# KiCad board keyball61_Left.kicad_pcb (continued)
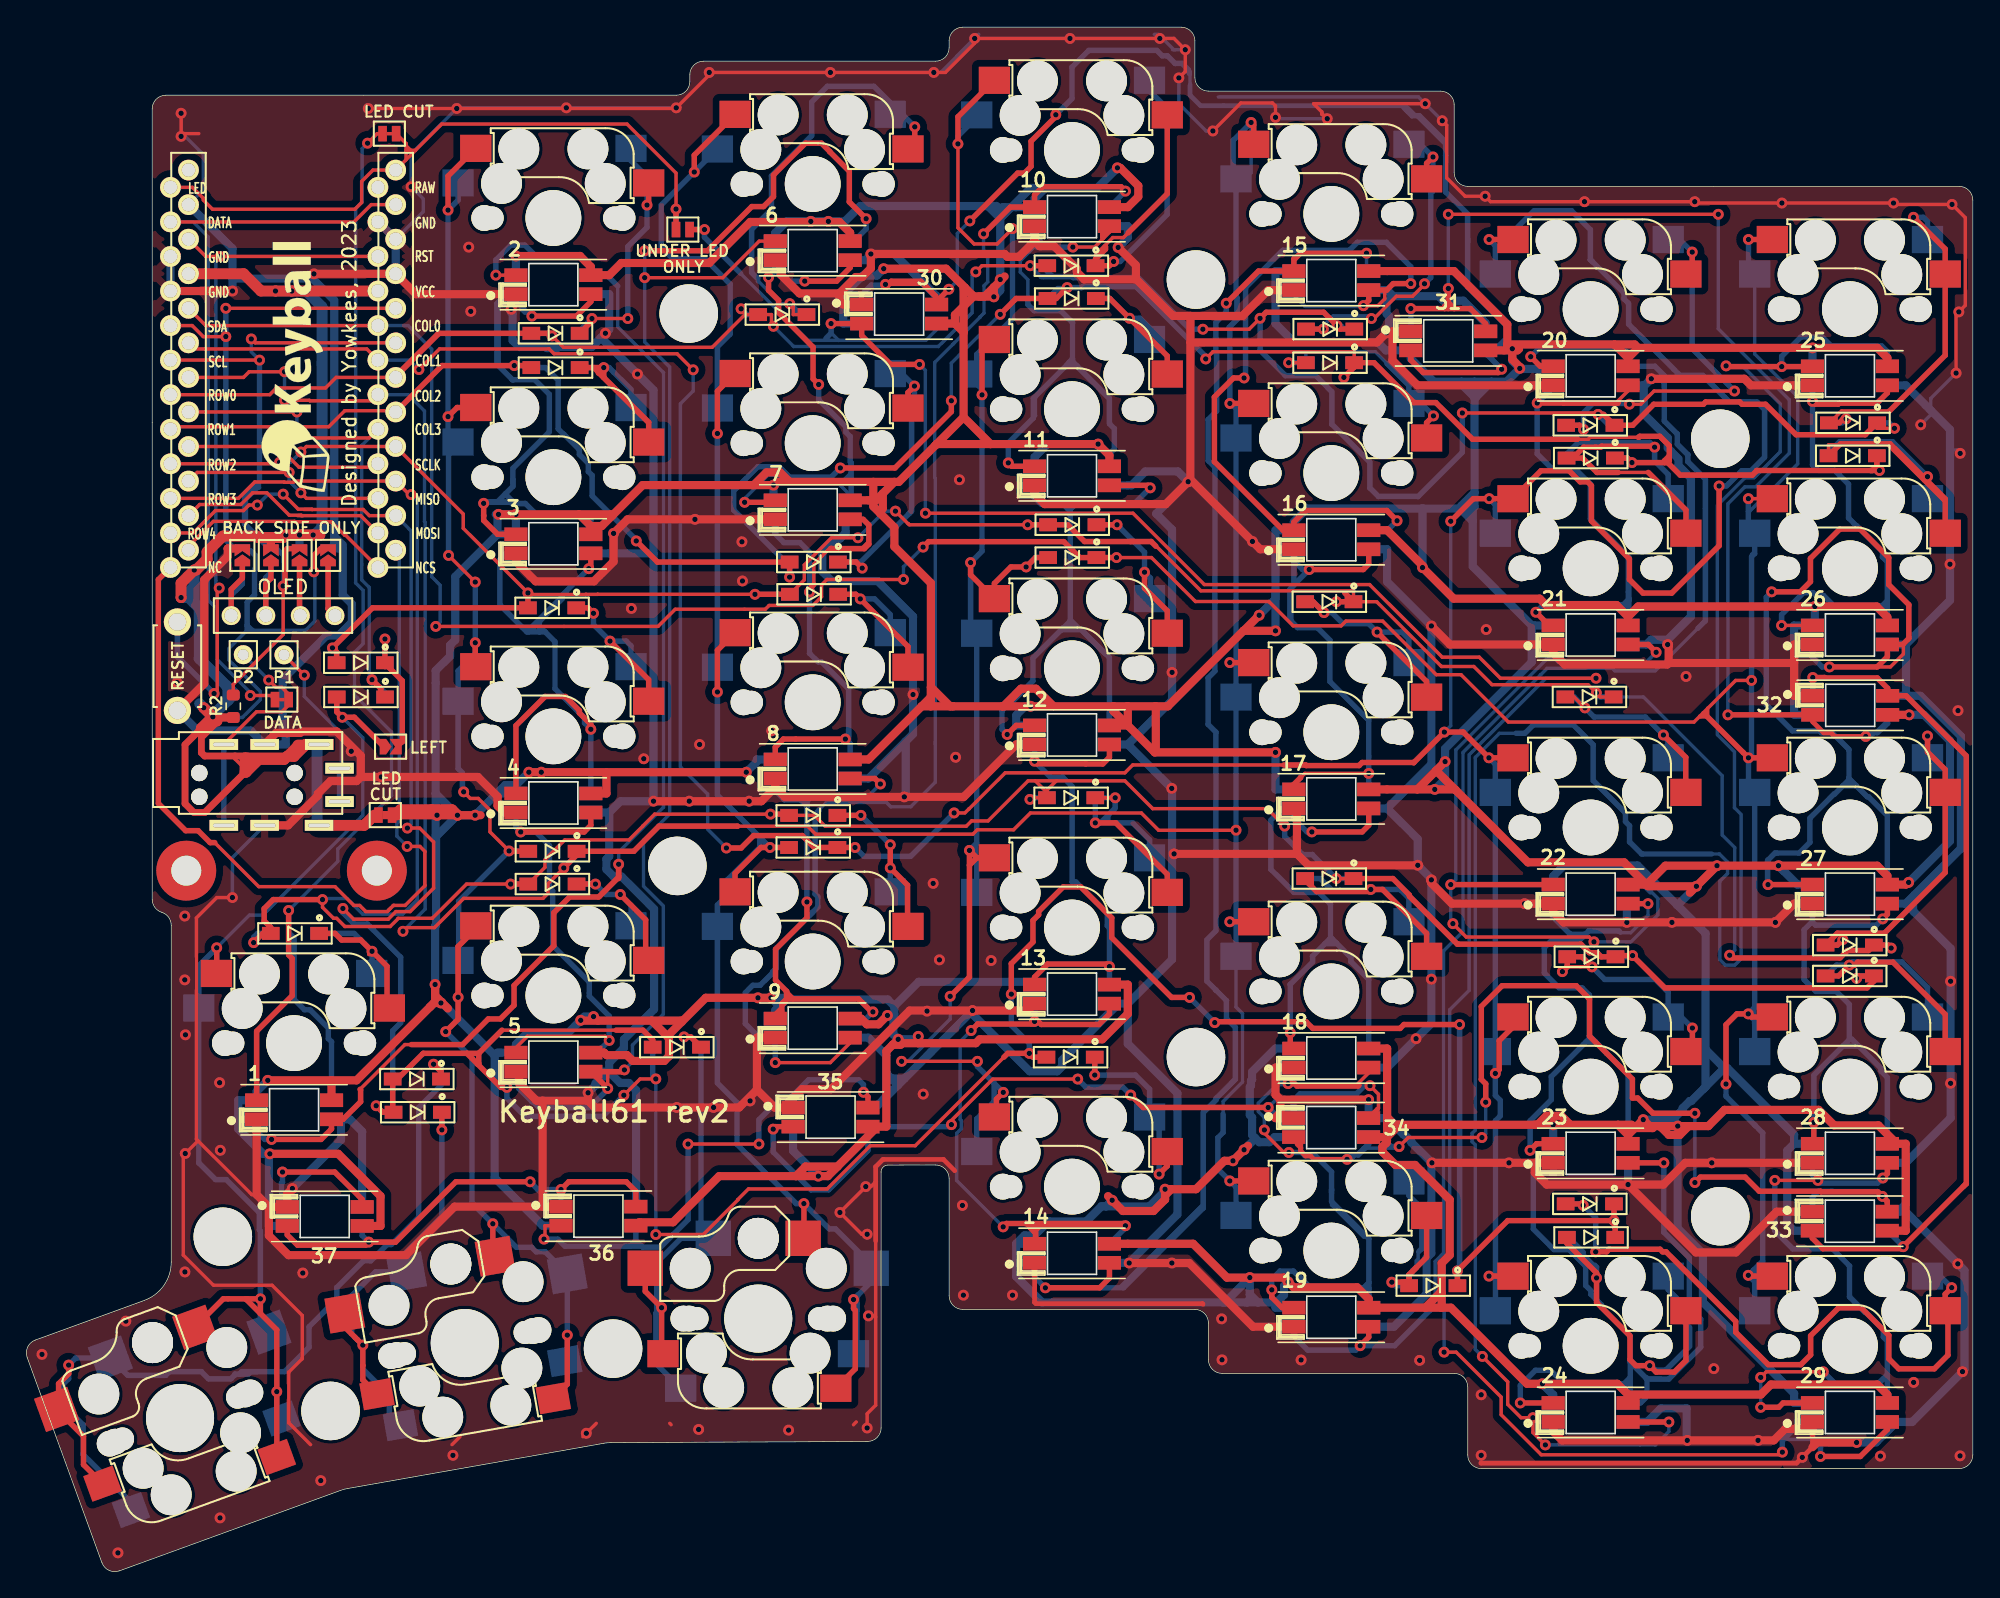
[diagram p0: board, top side]
## Routing (per net, layer and track width the routed paths; a pad name or vN(x,y) marks a point on that pad's centre or on a via; arc(x,y) is an arc through that point) (continued)
Net-(D15-Pad2): length 18.5
  Top w0.4: v1(95.27,70.43) 94.47,71.23 D15.2 ; SW15.2 102.8,65.37 v1(99.17,69)
  Bottom w0.4: D15.2 94.47,71.23 v1(95.27,70.43) 95.85,70.43 96.66,69.62 98.55,69.62 v1(99.17,69) 100.97,69 101.5,68.47 SW15.2
Net-(D16-Pad1): length 14.7
  Top w0.4: v1(82.08,73.4) 82.08,72.23 83.75,70.56 SW16.2 ; D16.1 v1(80.06,76.89)
  Bottom w0.4: 82.45,71.46 82.52,71.52 82.52,72.97 v1(82.08,73.4) 82.08,74.87 v1(80.06,76.89) D16.1
Net-(D17-Pad1): length 14
  Top w0.4: SW17.2 64.7,67.94 v1(61.2,71.44) 60.86,71.78 D17.1
  Bottom w0.4: SW17.2 63.4,70.28 62.25,71.44 v1(61.2,71.44) 60.86,71.78 D17.1
Net-(D18-Pad1): length 14.2
  Top w0.4: v1(42.81,68.34) 45.65,65.5 SW18.2 ; v1(41.6,70.38) 41.2,70.78 D18.1
  Bottom w0.4: SW18.2 44.35,67.99 44,68.34 v1(42.81,68.34) 41.6,69.55 v1(41.6,70.38) 41.2,70.78 D18.1
Net-(D19-Pad1): length 11
  Top w0.25: v1(26.28,68.49) 26.28,68.57 ; D19.1 26.2,66.75 26.06,66.6 26.28,66.38
  Top w0.35: 27.55,60.94 JP1.2
  Top w0.4: v1(26.28,68.49) D19.1 26.28,66.69 27.55,65.42 27.55,60.94
  Bottom w0.4: v1(26.28,68.49) D19.1
Net-(D20-Pad2): length 24.4
  Top w0.4: SW19.2 140.9,40.9 137.06,44.74 134.47,44.74 134.26,44.52 v1(133.86,44.52) 133.06,43.72 132.11,43.72
  Bottom w0.4: 132.11,43.72 132.12,43.72 132.92,44.52 v1(133.86,44.52) 134.1,44.76 137.71,44.76 139.6,42.87 SW19.2
Net-(D21-Pad2): length 22.2
  Top w0.25: v1(114.96,44.39) 113.13,44.39 v1(112.78,44.04) ; D21.2 114.11,45.13
  Top w0.4: v1(122.33,39.9) 122.33,38.65 SW20.2 ; v1(112.78,44.04) 113.13,44.4 D21.2 114.22,45.13 v1(114.96,44.39)
  Bottom w0.25: 115.57,43.78 v1(114.96,44.39) ; 122.03,40.2 v1(122.33,39.9) ; 120.55,40.71 121.29,40.71
  Bottom w0.4: D21.2 113.13,44.4 v1(112.78,44.04) ; v1(122.33,39.9) 121.52,40.71 120.55,40.71 120.55,42.53 119.61,43.47 115.88,43.47 v1(114.96,44.39)
Net-(D22-Pad2): length 22.5
  Top w0.4: D22.2 93.88,50.77 94.72,49.93 98.55,49.93 v1(98.7,50.08) 99.57,50.08 102.8,46.85 SW21.2
  Bottom w0.4: SW21.2 101.5,49.43 100.85,50.08 v1(98.7,50.08) 98.63,50.01 96.46,50.01 96.45,50.02 95.8,50.02 95.74,50.08 95.74,50.13 94.99,50.88 D22.2
Net-(D23-Pad1): length 23.2
  Top w0.25: 80.15,56.82 v1(79.93,56.82) D23.1 79.44,56.82
  Top w0.4: SW22.2 83.75,51.19 79.97,54.98 v1(78.46,54.98)
  Bottom w0.4: v1(78.46,54.98) 78.84,54.98 79.39,55.52 ; v1(78.46,54.98) 79.41,54.98 ; v1(78.46,54.98) D23.1 v1(79.93,56.82) 79.93,56.06 79.39,55.52 ; 82.45,52.41 82.45,53.73 81.21,54.98 79.41,54.98 ; 79.41,54.98 79.39,54.99 79.39,55.52
Net-(D24-Pad1): length 14.8
  Top w0.4: v1(63.4,53.37) v1(63.4,51.67) 64.67,50.4 64.67,47.4 SW23.2 ; D24.1 v1(61.24,55.53)
  Bottom w0.25: 63.37,49.94 SW23.2
  Bottom w0.4: v1(63.4,51.67) SW23.2 ; D24.1 v1(61.24,55.53) v1(63.4,53.37)
Net-(D25-Pad1): length 13.3
  Top w0.25: v1(43.57,49.71) 43.56,49.71
  Top w0.4: D25.1 v1(41.74,50.48) ; SW24.2 45.43,45.09 45.43,47.85 v1(43.57,49.71)
  Bottom w0.4: D25.1 v1(41.74,50.48) 42.51,49.71 v1(43.57,49.71) 44.35,48.93 SW24.2
Net-(D26-Pad1): length 19.5
  Top w0.25: 25.09,45.3 v1(25.33,45.54)
  Top w0.4: SW25.2 26.43,41.54 26.43,44.44 v1(25.33,45.54) 24.5,46.37 23.09,46.37 22.61,46.85 21.44,46.85
  Bottom w0.25: SW25.2 25.3,45.23 25.16,45.37 v1(25.33,45.54) ; 23.68,46.85 21.44,46.85
  Bottom w0.4: 21.44,46.85 24.02,46.85 v1(25.33,45.54) 25.33,43.94 SW25.2
Net-(D27-Pad2): length 49.6
  Top w0.4: v1(141.38,20.81) 140.9,20.34 SW26.2 141.1,18.92 141.1,15.85 140.1,14.85 137.49,14.85 136.76,15.58 136.76,17.3 134.74,19.33 133.07,19.33 131.02,17.28 131.02,15.87 130.3,15.15 127.9,15.15 125.51,17.54 125.51,18.33 120.4,23.45 120.14,23.45 119.96,23.63 116.21,23.63 116.03,23.45 v1(115.23,23.45) ; D27.2 114.2,26.97 v1(114.31,26.87)
  Bottom w0.4: SW26.2 140.53,21.66 v1(141.38,20.81) ; D27.2 114.2,26.97 v1(114.31,26.87) 115.23,25.94 v1(115.23,23.45)
Net-(D28-Pad2): length 37.5
  Top w0.25: 118.97,15.26 119.19,15.26 v1(119.19,15.08) ; SW27.2 121.85,16.58
  Top w0.4: D28.2 113.11,24.07 115.29,21.89 v1(115.29,21.53) 115.29,19.73 117.74,17.27 117.74,15.52 118.19,15.08 v1(119.19,15.08) 119.66,14.61 121,14.61 121.85,15.46 SW27.2
  Bottom w0.25: 115.15,22.47 D28.2
  Bottom w0.4: 115.15,22.47 115.29,22.33 v1(115.29,21.53) ; D28.2 113.22,24.51 114.31,23.41 ; v1(119.19,15.08) 119.29,15.08 119.61,14.75 120.37,14.75 122.12,16.5 122.12,17.88 121.26,18.75 121.26,19.96 120.55,20.66 120.55,21.66
Net-(D29-Pad2): length 24.3
  Top w0.25: D29.2 101.52,21.21 ; 101.52,21.21 v1(100.25,21.21) ; 101.52,21.21 101.52,21.76
  Top w0.4: D29.2 101.26,21.21 v1(100.25,21.21) ; D29.2 101.52,21.76 ; D29.2 101.52,21.76 ; SW28.2 102.8,23.04 102.05,22.29 ; 101.52,21.76 102.05,22.29 ; 101.52,21.76 102.05,22.29
  Bottom w0.25: 102.17,26.67 102.17,25.75 ; 102.1,22.76 102.18,22.76 102.18,22.76 102.18,23.41 102.23,23.47 ; 101.52,20.97 100.49,20.97 ; 101.52,20.97 101.52,21.76 102.17,22.41 ; 101.52,20.97 D29.2
  Bottom w0.4: 102.17,25.75 102.17,25.74 ; 102.17,25.74 102.45,25.46 102.45,23.69 102.23,23.47 ; 102.17,25.74 102.17,26.91 101.5,27.58 SW28.2 ; 102.1,22.76 102.1,22.39 101.76,22.05 101.76,22 101.52,21.76 D29.2 100.5,20.96 v1(100.25,21.21)
Net-(D30-Pad1): length 15.5
  Top w0.4: D30.1 v1(78.42,36.44) ; v1(83.15,29.16) 83.75,29.76 SW29.2
  Bottom w0.4: D30.1 v1(78.42,36.44) 81.41,36.44 82.45,35.4 82.45,33.09 83.15,32.39 v1(83.15,29.16)
Net-(D31-Pad1): length 41.5
  Top w0.4: 45.4,22.24 45.4,20.54 v1(46.6,19.34) 46.6,16.06 46.7,15.96 ; v1(48.25,39.24) 48.74,39.24 D31.1
  Bottom w0.25: D31.1 49.5,37.69
  Bottom w0.4: 46.18,18.93 46.18,15.24 48,13.42 ; 46.18,18.93 46.59,19.34 v1(46.6,19.34) 46.24,19.7 46.24,20.03 ; 46.18,18.93 46.24,18.99 46.24,20.03 ; v1(48.25,39.24) 48.74,39.24 D31.1 49.5,25.34 SW30.2 48.02,24.44 46.24,22.66 46.24,20.03
Net-(D32-Pad1): length 41.1
  Top w0.25: 23.33,18.94 SW31.2 23.33,17.91 24.08,17.16 ; 25.2,13.48 SW31.2
  Top w0.4: SW31.2 23.33,17.91 v1(24.65,16.59) 24.65,15.09 24.65,15.09 24.65,14.03 SW31.2 ; v1(30.46,32.41) D32.1
  Bottom w0.25: SW31.2 27.87,21.98 26.34,21.98
  Bottom w0.4: SW31.2 26.6,11.52 26.6,12.87 24.65,14.82 v1(24.65,16.59) 23.83,17.41 23.83,20.22 25.59,21.98 SW31.2 27.87,23.45 30.46,26.03 v1(30.46,32.41) D32.1
Net-(D33-Pad1): length 71.9
  Top w0.4: D33.1 30.4,36.76 30.33,36.76 v1(29.85,37.24) ; v1(3.04,15.12) 3.04,14.49 2.3,13.75 2.3,12.01 SW32.2 4.13,9.89 4.13,7.8 SW32.2
  Bottom w0.25: 16.69,14.64 16.41,14.64
  Bottom w0.4: v1(29.85,37.24) 30.11,37.24 30.4,36.95 D33.1 30.4,35.69 28.76,34.05 28.76,25.99 26.75,23.98 26.44,23.98 25.24,22.79 24.7,22.79 22.75,20.83 22.75,19.98 20.7,17.94 20.7,16.44 18.9,14.64 16.9,14.64 ; 16.9,14.64 16.41,14.64 16.23,14.46 15.57,14.46 ; 16.9,14.64 15.75,14.64 15.57,14.46 ; SW32.2 7.62,5.03 4.1,8.55 4.1,10.73 2.59,12.24 2.59,13.67 3.04,14.12 v1(3.04,15.12) 3.57,15.64 SW32.2 7.38,14.37 10.17,14.37 10.44,14.64 12.79,14.64 13.32,14.11 14.96,14.11 15.26,14.4 15.26,14.46 15.57,14.46
Net-(D34-Pad2): length 127.9
  Top w0.25: v1(69.3,74.11) 69.27,74.14 ; v1(72.38,98.66) 71.25,97.53 69.56,97.53 68.37,98.72 v1(68.37,104.89) ; v1(64.23,37.45) v1(69.8,37.45)
  Top w0.4: SW22.1 69.76,52.41 ; 69.76,52.41 v1(69.22,52.95) 69.22,51.86 ; 69.76,52.41 69.76,52.41 69.22,51.86 ; v1(70.14,86.44) 70.14,89.6 SW10.1 ; v1(71.7,35.17) 71.2,34.67 71.2,33.51 SW29.1 ; 69.22,51.86 69.22,43.64 v1(67.8,42.23) ; v1(69.3,74.11) 69.3,73.21 SW16.1 71.05,72.58 72.26,73.79 v1(73.38,73.79) 74.07,74.48 D34.2 ; SW4.1 68.37,106.88 v1(68.37,104.89)
  Bottom w0.25: v1(64.23,37.45) 64.7,37.45 67.8,40.55 v1(67.8,42.23) ; SW10.1 69.75,87.13 70.14,86.74 v1(70.14,86.44) ; 69.75,53.49 69.75,52.21 ; 69.75,52.21 69.75,52.3 ; 69.75,52.21 SW22.1
  Bottom w0.4: v1(70.14,86.44) 70.14,74.95 v1(69.3,74.11) 69.3,69.37 SW16.1 69.75,53.49 v1(69.22,52.95) 69.75,52.42 SW22.1 ; v1(69.8,37.45) 69.8,37.07 71.03,35.84 ; v1(73.38,73.79) 74.08,74.49 74.99,74.49 D34.2 ; 71.03,35.84 v1(71.7,35.17) 71.03,34.49 ; 71.03,35.84 71.03,34.5 71.03,34.49 ; v1(68.37,104.89) 68.37,105.46 69.75,106.84 SW4.1 ; SW10.1 69.75,89.41 72.38,92.04 v1(72.38,98.66) ; 71.03,34.49 69.75,33.22 SW29.1
Net-(D35-Pad2): length 138.2
  Top w0.4: v1(49,102.82) 49,104.06 52,107.06 ; v1(57.06,26.99) 57.06,24.49 57,24.44 ; D35.2 v1(54.56,53.17) 53.9,53.17 52,51.27 52,49.91 ; 52,88.01 50.7,86.71 v1(50.7,83.6) ; v1(50.7,64.6) 50.7,67.66 52,68.96 ; v1(60.7,19.94) 60.7,19.28 60.83,19.15 60.83,14.85 SW30.1
  Bottom w0.4: 53.81,53.17 51.46,50.82 51.46,49.7 50.7,48.94 SW23.1 50.7,35.86 52.14,34.42 52.14,31.34 56.49,26.99 v1(57.06,26.99) 58.92,25.13 59.38,25.13 62,22.51 62,21.24 61.03,20.26 ; 53.81,53.17 v1(54.56,53.17) ; 53.81,53.17 53.81,53.66 53.94,53.79 ; 60.95,19.17 60.95,16.21 SW30.1 ; 60.95,19.17 60.95,19.62 60.7,19.87 v1(60.7,19.94) 61.03,20.26 ; 60.95,19.17 60.95,20.19 61.03,20.26 ; SW5.1 v1(49,102.82) 46.57,100.39 46.57,97.3 47.42,96.45 49.77,96.45 51.64,94.58 51.64,90.91 50.7,89.97 SW11.1 v1(50.7,83.6) SW17.1 v1(50.7,64.6) 50.7,57.03 53.94,53.79 ; v1(54.56,53.17) 53.94,53.79 ; v1(54.56,53.17) D35.2
Net-(D36-Pad2): length 139.1
  Top w0.25: v1(35.4,52.91) 33.99,54.32 33.99,55.92 33.13,56.78 32.55,56.78 v1(32.06,57.26) ; v1(32.91,72.68) v1(30.95,74.64)
  Top w0.4: SW24.1 32.95,47.19 31.65,45.89 v1(31.65,42.16) 31.65,40.54 v1(30.74,39.63) ; v1(39.68,17.32) 39.68,13.72 SW31.1 ; v1(30.91,100.02) 30.91,102.52 SW6.1 ; v1(32.91,68.22) 32.91,66.5 SW18.1 ; SW31.1 34.2,23.29 v1(34.2,25.51) ; v1(35.4,52.91) 35.42,52.89 D36.2 ; v1(30.91,84.84) 31.58,85.51 SW12.1
  Bottom w0.25: v1(39.68,17.32) 39.68,15.87 ; D36.2 35.33,52.89 31.65,49.21 SW24.1
  Bottom w0.4: SW24.1 31.65,41.93 ; SW24.1 v1(31.65,42.16) ; SW24.1 31.69,44.91 31.69,49.21 v1(35.4,52.91) 36.78,52.91 D36.2 ; v1(32.91,72.68) v1(32.91,68.22) 32.91,67.42 31.65,66.16 SW18.1 31.65,58.97 31.97,58.65 31.97,57.35 v1(32.06,57.26) ; v1(30.74,39.63) 32.67,37.7 32.67,27.04 v1(34.2,25.51) 35.93,23.78 37.05,23.78 37.38,23.45 38.05,23.45 SW31.1 v1(39.68,17.32) 39.68,15.6 SW31.1 39.49,15.68 39.68,15.87 ; SW6.1 31.65,100.76 v1(30.91,100.02) v1(30.91,84.84) 30.91,83.71 SW12.1 30.95,82.27 v1(30.95,74.64)
Net-(D37-Pad2): length 94.5
  Top w0.4: 17.13,18.91 16.11,19.93 16.11,19.99 ; 17.13,18.91 18.33,17.71 v1(18.33,13.17) SW32.1 ; 17.13,18.91 v1(17.13,19.99) 16.11,19.99 ; 16.11,19.99 14.4,19.99 SW32.1 ; D37.2 22.74,63.14 v1(23.14,62.74) 24.03,62.74 JP1.1 ; SW25.1 13.92,43.93 v1(13.92,45.8)
  Bottom w0.25: 23.15,62.73 v1(23.14,62.74) 24.65,61.23 24.65,55.54 17.32,48.2 16.32,48.2 v1(13.92,45.8) ; 14.62,28.76 17.13,26.25 v1(17.13,19.99)
  Bottom w0.4: 17.05,26.33 17.05,25.06 17.13,24.98 v1(17.13,19.99) 17.13,18.17 SW32.1 ; 17.05,26.33 17.05,26.25 ; 17.05,26.33 14.62,28.76 13.83,28.76 12.6,29.98 SW25.1 12.6,41.37 12.6,44.48 v1(13.92,45.8) ; v1(23.14,62.74) 22.74,63.14 D37.2 ; SW32.1 18.33,11.55 v1(18.33,13.17)
Net-(J1-Pad1): length 9.8
  Top w0.25: JP2.1 15.8,73.5
  Top w0.4: J1.1 14.98,72.14 15.8,72.96 JP2.1
  Bottom w0.25: JP2.1 15.8,73.5
  Bottom w0.4: J1.1 14.98,71.71 15.8,72.53 JP2.1
Net-(J1-Pad2): length 9.2
  Top w0.25: 17.9,70.6 J1.2
  Top w0.4: J1.2 17.52,72.57 17.9,72.95 JP3.1
  Bottom w0.25: 17.9,70.6 J1.2
  Bottom w0.4: JP3.1 17.9,73.39 17.52,73.01 J1.2
Net-(J1-Pad3): length 15.6
  Top w0.25: JP4.1 20,70.27
  Top w0.4: J1.3 20,70.27 JP4.1
  Bottom w0.25: JP4.1 20,70.27
  Bottom w0.4: J1.3 20,70.27 JP4.1
Net-(J1-Pad4): length 15.1
  Top w0.25: JP5.1 22.1,70.71
  Top w0.4: J1.4 22.1,70.71 JP5.1
  Bottom w0.25: JP5.1 22.1,70.71
  Bottom w0.4: J1.4 22.1,70.71 JP5.1
Net-(J13-PadA): length 12.9
  Top w0.25: P1.1 v1(20.36,65.84)
  Bottom w0.25: v1(20.36,65.84) 20.36,64.27 23.08,61.54 23.08,59.13 J13.A ; 22.77,58.99 J13.A ; J13.A 22.87,59.07
  Bottom w0.4: J13.A J13.A
Net-(J13-PadB): length 17.3
  Top w0.25: v1(17.74,65.47) 18.27,64.94 18.7,64.94 19.22,64.42 19.22,63.65 18.71,63.14 16.84,63.14 J13.B
  Bottom w0.25: P2.1 v1(17.74,65.47)
  Bottom w0.4: J13.B J13.B
Net-(JP11-Pad1): length 1159.4
  Top w0.6: v1(36.85,58.7) v1(37.77,58.7) 42.55,58.7 ; v1(124.14,51.83) 122.15,49.84 ; v1(124.14,51.83) 120.34,51.83 118.95,50.44 ; v1(124.14,51.83) v1(128.65,51.83) 135.91,51.83 136.65,51.08 27.1 138,50.44 138.17,50.6 v1(138.22,50.6) ; 66.72,82.73 64.03,80.04 63.71,80.04 ; 66.72,82.73 66.81,82.82 70.77,82.82 ; 66.72,82.73 68.79,84.8 ; 57.57,99.15 53.12,99.15 50.1,96.13 43.65,96.13 42.75,95.24 2.1 41.4,95.86 40.61,96.65 v1(35.9,96.65) ; 57.57,99.15 v1(57.57,99.19) ; 57.57,99.15 59.66,99.15 60.45,98.36 6.1 ; 62.16,80.04 62.16,78.69 ; 62.16,80.04 63.71,80.04 ; 62.16,80.04 55.06,80.04 v1(54.83,79.81) 53.27,79.81 ; 62.16,78.69 7.1 ; 62.16,78.69 62.35,78.69 62.85,79.19 ; 62.16,78.69 62.16,78.24 62.68,77.72 ; 136.65,12.34 136.65,12.95 135.91,13.69 128.09,13.69 127.36,12.96 117.6,12.96 ; 62.85,79.19 63.71,80.04 ; 62.85,79.19 62.85,78.09 62.68,77.92 62.68,77.72 ; 80.85,62.14 80.85,63.55 ; 80.85,62.14 82.83,60.16 ; 80.85,62.14 12.1 ; 80.85,62.14 79.8,63.2 79.8,63.55 ; 80.85,63.55 79.8,63.55 ; 80.85,63.55 82.91,63.55 ; 102.7,19.34 103.91,19.34 ; 102.7,19.34 98.55,19.34 98.55,19.98 97.7,20.84 93.03,20.84 v1(92.63,21.23) 92.31,21.55 v1(89.82,21.55) 88.14,21.55 85.65,24.04 14.1 ; 102.7,19.34 103.81,20.44 103.91,20.44 ; 103.91,19.34 104.59,19.34 110.18,13.75 v1(111.31,13.75) 116.81,13.75 117.6,12.96 ; 103.91,19.34 103.91,20.44 ; 110.75,32.78 101.05,32.78 ; 110.75,32.78 v1(112.1,32.78) 116.87,32.78 ; 110.75,32.78 110.95,32.78 111.6,33.44 112.7,33.44 113.34,32.8 113.36,32.8 ; 101.05,32.78 100.66,32.78 ; 101.05,32.78 100.8,32.78 99.89,31.88 ; 40.55,77.66 42.89,77.66 42.98,77.57 ; 40.55,77.66 41.4,76.8 ; 40.55,77.66 v1(35.9,77.66) v1(34.62,77.66) ; 118.1,32.54 v1(118.72,33.16) 119.19,32.69 119.55,32.69 ; 118.1,32.54 117.86,32.78 116.87,32.78 ; 118.1,32.54 119.41,32.54 119.55,32.69 ; 118.1,32.54 117.6,32.05 ; 62.46,32.65 63.11,32.65 63.11,38.2 63.58,38.66 ; 62.46,32.65 59.53,29.72 ; 62.46,32.65 35.1 ; 45.88,40.44 41.9,40.44 ; 45.88,40.44 48,40.44 48.09,40.36 ; 45.88,40.44 47.03,39.3 ; 41.9,40.44 v1(41.6,40.74) ; 41.9,40.44 40.69,40.44 v1(40.66,40.46) ; 89.35,69.09 89.36,69.09 v1(90.5,70.24) ; 89.35,69.09 83.8,63.55 82.91,63.55 ; 89.35,69.09 v1(91.7,69.09) ; 68.79,91.04 68.79,94.23 68.89,94.32 ; 68.79,91.04 68.15,91.68 ; 68.79,91.04 68.79,84.8 ; 71.61,63.55 68.01,63.55 ; 71.61,63.55 71.71,63.55 73,64.84 74.1,64.84 75.39,63.55 75.4,63.55 ; 71.61,63.55 v1(73.71,63.55) 79.8,63.55 ; 68.01,63.55 67.8,63.55 66.39,64.95 ; 68.01,63.55 66.39,63.55 ; 29.59,41.45 29.96,41.82 v1(29.96,43.1) 29.96,42.28 30.9,41.34 ; 29.59,41.45 24.19,36.05 22.35,36.05 ; 29.59,41.45 29.88,41.74 v1(30.39,41.74) ; 8.1 61.8,59.64 65.71,63.55 ; 10.1 80.85,100.24 81.62,101.01 81.62,101.8 80.3,103.13 v1(80.09,103.13) ; 69.93,93.67 70.33,93.67 71.01,94.35 ; 69.93,93.67 70.99,93.67 v1(71.01,93.64) 71.01,94.35 ; 69.93,93.67 69.51,93.67 ; 99.89,31.88 99.9,31.89 99.9,32.78 ; 99.89,31.88 34.1 ; 99.89,31.88 99.89,31.61 99.86,31.58 99.86,31.47 99.56,31.16 99.56,30.79 100.52,29.83 101.95,29.83 104.5,27.28 104.5,23.21 103.91,22.61 103.91,20.44 ; 21.1 117.6,70.14 ; 117.6,70.14 118.35,70.88 v1(131.33,70.88) 135.87,70.88 136.65,70.1 26.1 ; 117.6,70.14 116.75,70.99 111.58,70.99 111.11,71.46 104.79,71.46 v1(102.5,73.74) 102.5,73.89 99.9,76.49 16.1 ; 63.58,38.66 v1(63.99,39.07) 64.27,38.78 ; 63.58,38.66 64.15,38.66 64.27,38.78 ; 63.58,38.66 63.6,38.64 ; 68.89,94.32 67.5,95.71 v1(62.92,95.71) ; 68.89,94.32 69.51,93.7 69.51,93.67 ; 100.66,32.78 100.46,32.78 99.9,33.34 ; 100.66,32.78 99.9,32.78 ; 89.68,31.24 v1(88.58,30.14) 87.95,30.14 85.86,28.05 84.04,28.05 ; 4.1 42.55,57.14 42.55,58.7 ; 55.91,80.1 55.91,80.14 55.3,80.74 54.3,80.74 53.37,79.81 53.27,79.81 ; 66.39,64.95 66.39,72.6 63.71,75.29 63.71,76.69 62.68,77.72 ; 66.39,64.95 66.39,64.23 65.71,63.55 ; 66.39,64.95 66.39,63.55 ; 137.35,31.39 138,31.39 138,25.01 137.99,25 136.64,25 ; 137.35,31.39 136,32.74 132.75,32.74 131.61,33.88 124.69,33.88 123.5,32.69 122.05,32.69 ; 137.35,31.39 136.65,31.39 ; 117.6,12.96 117.6,12.34 ; 53.27,79.81 45.22,79.81 42.98,77.57 ; 122.05,32.69 v1(121.25,32.69) 120.05,32.69 ; 122.05,32.69 121.4,32.04 120.6,32.04 120.05,32.59 120.05,32.69 ; 42.55,58.7 v1(52.83,58.7) ; 70.77,82.82 68.79,84.8 ; 70.77,82.82 v1(78.67,82.82) 79.5,81.99 11.1 ; 3.1 41.4,76.8 ; 41.4,76.8 42.21,76.8 42.98,77.57 ; 82.91,63.55 82.91,60.24 82.83,60.16 ; 71.01,94.35 71.8,95.14 ; 80.05,26.89 79.4,27.54 ; 82.83,60.16 v1(91.7,60.16) ; 108.73,89.83 v1(109.1,89.83) 109.1,89.04 109.7,88.44 ; 108.73,89.83 109.59,89.83 109.47,89.71 31.1 ; 108.73,89.83 108.73,90.14 ; v1(122.63,50.32) 119.08,50.32 118.95,50.44 ; 59.53,29.72 57.18,29.72 56.48,29.01 ; 59.53,29.72 58.82,29.01 v1(58.12,29.01) 56.48,29.01 ; 65.46,38.78 69.69,38.78 69.97,39.07 78.98,39.07 80.85,40.94 80.85,43.09 13.1 ; 65.46,38.78 64.27,38.78 ; 65.46,38.78 v1(65.46,39.28) ; 66.39,63.55 65.71,63.55 ; 99.9,32.78 99.9,33.34 ; 99.9,33.34 99.9,38.39 98.55,38.39 ; 108.73,90.14 108.73,91.62 104.81,95.54 15.1 ; 108.73,90.14 116.62,90.14 ; 48.09,40.36 49.85,42.12 v1(53.68,42.12) v1(54.64,42.12) ; 48.09,40.36 47.03,39.3 ; 116.87,32.78 117.6,32.05 ; 56.48,29.01 50.83,29.01 47.44,25.62 44.96,25.62 36.1 ; 22.35,36.05 v1(17.67,36.05) ; 22.35,36.05 1.1 ; 118.95,50.44 22.1 ; 118.95,50.44 117.32,52.08 110.25,52.08 104.95,57.38 ; 102.12,57.44 103.5,58.82 ; 102.12,57.44 v1(103.4,57.44) 104.89,57.44 104.95,57.38 ; 102.12,57.44 17.1 ; 103.5,58.82 v1(104.16,59.48) ; 103.5,58.82 104.95,57.38 ; 47.03,39.3 47.14,39.18 47.14,37.82 46.8,37.48 44.49,37.48 44.06,37.91 42.56,37.91 42.38,38.09 5.1 ; 116.62,90.14 118.09,90.14 118.34,89.89 ; 116.62,90.14 117.6,89.16 ; v1(83.59,28.05) 83.59,27.85 ; v1(83.59,28.05) 83.59,27.29 ; v1(83.59,28.05) 84.04,28.05 ; 32.1 v1(138.25,62.92) ; 120.05,32.69 119.55,32.69 ; 37.1 25.95,25.35 25.95,27.54 22.85,30.65 v1(17.82,30.65) ; 9.1 61.26,40.59 61.68,40.17 62.54,40.17 v1(63.19,40.82) ; 68.15,91.68 68.15,92.31 69.51,93.67 ; 68.15,91.68 30.1 ; 117.6,89.16 118.34,89.89 ; 117.6,89.16 20.1 ; 118.34,89.89 v1(131.15,89.89) 135.92,89.89 136.65,89.16 25.1 ; 117.6,31.39 117.6,32.05 ; 83.59,27.29 82.74,26.45 80.49,26.45 v1(79.7,27.24) ; 83.59,27.29 83.59,27.6 84.04,28.05 ; 27,55.55 27.01,55.54 v1(30.1,55.54) v1(31.6,55.54) v1(32.9,55.54) 33.3,55.54
  Top w0.8: v1(31.6,55.54) 31.2,55.94 29.7,55.94 ; 29.7,55.94 27.41,55.94 27.1,55.63 27.1,55.55 ; 29.7,55.94 v1(30.1,55.54)
  Bottom w0.4: v1(63.19,40.82) 63.63,40.82 ; 129.13,51.35 130.04,50.44 27.1
  Bottom w0.6: v1(124.14,51.83) v1(122.63,50.32) 121.23,48.92 ; v1(88.58,30.14) v1(89.39,30.95) 90.23,31.79 ; 91.7,19.65 91.7,19.34 93.05,19.34 ; 91.7,19.65 91.63,19.73 90.42,19.73 ; 91.7,19.65 91.8,19.75 92.33,20.28 92.33,20.93 v1(92.63,21.23) ; 35.9,57.76 35.12,57.76 34.5,57.14 ; 35.9,57.76 4.1 34.5,57.14 ; 35.9,57.76 v1(36.85,58.7) 38.17,58.7 ; 74.8,101.65 78.61,101.65 v1(80.09,103.13) ; 74.8,101.65 74,100.86 10.1 72.3,100.24 ; 74.8,101.65 73.71,101.65 72.3,100.24 ; 34.5,57.14 v1(32.9,55.54) v1(31.6,55.54) ; 37.1 17.75,25.35 17.75,30.65 ; 109.65,88.38 108.68,87.41 107.57,87.41 ; 109.65,88.38 v1(109.65,88.38) 109.1,88.93 v1(109.1,89.83) ; 109.65,88.38 109.69,88.34 111.91,88.34 20.1 ; v1(103.4,57.44) 104.16,58.2 v1(104.16,59.48) 104.16,60.43 110.53,66.8 110.53,69.49 ; v1(58.12,29.01) 56.26,30.87 35.1 ; v1(79.7,27.24) 79.25,26.79 78.91,26.79 ; 124.67,36.95 124.91,36.95 129.8,32.05 129.8,31.39 ; 124.67,36.95 123.18,35.46 ; 124.67,36.95 123.3,38.32 ; v1(31.6,55.54) 30,57.14 ; v1(31.6,55.54) 30.04,53.97 ; 30,57.14 30,66.17 31.06,67.23 31.06,68.04 31.44,68.42 31.44,73.08 34.55,76.19 ; 30,57.14 30,54 30.04,53.97 ; 34.42,77.66 v1(35.9,77.66) 3.1 34.55,76.19 ; 55.25,41.5 v1(54.64,42.12) ; 55.25,41.5 54.95,41.21 9.1 ; 55.25,41.5 55.75,42 ; v1(54.64,42.12) 55.62,42.12 55.75,42 ; v1(54.64,42.12) v1(53.68,42.12) ; 22.1 112.1,51.06 112.9,51.85 118.3,51.85 121.23,48.92 ; 72.3,100.24 71.68,100.24 71.48,100.04 ; 72.3,100.24 71.48,99.42 ; 55.75,42 63.21,42 63.7,41.51 ; 123.3,38.32 123.3,46.85 121.23,48.92 ; 123.3,38.32 123.3,35.57 123.18,35.46 ; v1(54.83,79.81) 54.83,78.82 7.1 ; 89.82,20.63 89.82,19.95 89.59,19.73 ; 89.82,20.63 89.82,20.33 90.42,19.73 ; 89.82,20.63 v1(89.82,21.55) 87.99,19.73 87.89,19.73 ; 110.53,69.49 106.2,73.82 106.2,77.15 ; 110.53,69.49 21.1 ; v1(62.92,95.71) 62.41,95.21 61.37,95.21 59.95,93.79 59.95,91.68 30.1 ; v1(91.7,60.16) 91.7,57.44 17.1 ; v1(41.6,40.74) 40.94,40.74 v1(40.66,40.46) 39.69,39.5 36.7,39.5 35.9,38.71 5.1 34.55,38.09 34.34,37.88 ; 105.37,87.41 105.37,87.22 106.33,86.26 ; 105.37,87.41 103.34,87.41 101.64,89.1 31.1 99.81,89.71 99.22,90.3 93.08,90.3 91.7,91.67 91.7,95.54 15.1 ; 105.37,87.41 106.33,87.41 ; 63.7,41.51 63.7,40.9 63.63,40.82 63.63,39.42 v1(63.99,39.07) 65.25,39.07 v1(65.46,39.28) ; 63.7,41.51 65.49,43.29 73.8,43.29 13.1 ; 107.57,87.41 106.43,86.26 106.33,86.26 ; 107.57,87.41 106.33,87.41 ; 78.91,26.79 82.45,26.79 83.59,27.93 v1(83.59,28.05) ; 78.91,26.79 77.81,25.69 75.04,25.69 74,24.66 ; 112.1,31.39 v1(112.1,32.78) ; 74,24.66 73.27,24.66 72.65,24.04 ; 74,24.66 14.1 72.65,24.04 ; 131.14,25 129.79,25 129.3,25.49 129.3,30.89 129.8,31.39 ; 30.04,53.97 30.04,47.47 29.96,47.39 v1(29.96,43.1) 29.96,42.17 v1(30.39,41.74) 30.48,41.74 34.34,37.88 ; 32.1 129.82,62.92 129.8,62.94 129.8,69.49 26.1 131.33,69.66 v1(131.33,70.88) ; 71.48,99.42 v1(71.48,94.92) 71.48,94.11 v1(71.01,93.64) ; 71.48,99.42 70.58,100.32 70.42,100.32 ; 71.48,99.42 71.48,100.04 ; 70.42,100.32 71.21,100.32 71.48,100.04 ; 70.42,100.32 61.2,100.32 60.07,99.19 v1(58.86,99.19) v1(57.57,99.19) 55.8,99.19 54.95,98.35 6.1 ; 36.1 37.86,25.37 34.34,28.89 34.34,37.88 ; 87.89,19.73 74.56,19.73 72.65,21.63 72.65,24.04 ; 87.89,19.73 89.59,19.73 ; 91.7,71.84 91.7,76.49 16.1 93.05,77.11 94.03,78.08 102.5,78.08 ; 91.7,71.84 v1(91.7,69.09) ; 91.7,71.84 91.7,71.44 v1(90.5,70.24) ; 17.75,30.65 v1(17.82,30.65) ; 17.75,30.65 17.33,30.65 15.5,32.48 15.5,34.59 1.1 16.85,35.23 v1(17.67,36.05) ; 25.1 v1(131.15,89.89) ; 106.2,78.08 106.33,78.22 106.33,79.26 ; 106.2,78.08 105.35,78.08 ; 106.2,78.08 106.2,77.15 ; 111.3,13.74 112.1,12.94 112.1,12.34 ; 123.18,35.46 122.26,34.53 122.14,34.53 121.61,34 121.61,33.89 120.89,33.16 ; 129.8,31.39 131.15,31.39 ; 8.1 53.6,59.64 53.6,59.48 v1(52.83,58.7) ; 106.33,79.26 105.35,78.28 105.35,78.08 ; 106.33,79.26 106.33,86.26 ; 90.42,19.73 89.59,19.73 ; 120.89,33.16 v1(118.72,33.16) ; 120.89,33.16 121.25,32.8 121.25,25.19 123.1,23.33 123.1,19.73 129.8,13.04 129.8,12.34 131.15,12.34 ; v1(34.62,77.66) 34.55,77.59 34.55,76.19 ; 106.33,86.26 106.33,87.41 ; v1(138.22,50.6) 141.25,53.64 141.25,61.02 139.35,62.92 v1(138.25,62.92) ; 105.35,78.08 102.5,78.08 ; 105.35,78.08 105.35,77.99 106.2,77.15 ; 102.5,78.08 v1(102.5,73.74) ; 34.1 91.63,31.88 91.26,31.51 90.51,31.51 90.23,31.79 ; v1(78.67,82.82) 74.96,82.82 74,81.86 11.1 ; 27.1 130.04,50.44 v1(128.65,51.83) 129.13,51.35 ; v1(73.71,63.55) 73.32,63.55 72.65,62.89 72.65,62.14 12.1 ; 90.23,31.79 89.98,32.03 89.98,33.33 89.82,33.5 89.82,35.58 89.9,35.66 89.9,36.03 89.98,36.11 89.98,36.67 91.7,38.39 93.05,38.39 ; 2.1 v1(35.9,96.65)
Net-(JP12-Pad2): length 93.5
  Top w0.25: 26.09,105.64 25.7,105.64 v1(25,104.94)
  Top w0.4: 1.4 16.85,39.66 19.46,42.27 19.46,45.01 19.2,45.27 v1(19.2,48.54)
  Bottom w0.25: v1(25,104.94) 24.6,104.54 24.6,100.62 24.13,100.14 24.13,72.62 24.68,72.07 24.68,68.15 24.04,67.52 24.04,64.37 24.23,64.18 24.23,64.16 24.26,64.16 26.76,61.66 26.76,56.99 25.17,55.4 25.15,55.4 22.82,53.06 22.82,52.15 v1(19.2,48.54)
  Bottom w0.4: v1(19.2,48.54) 19.2,46.92 19.6,46.52 19.6,42.01 20.37,41.24 20.78,41.24 22.12,39.89 22.12,39.12 22.35,38.89 1.4
Net-(JP13-Pad1): length 202.3
  Top w0.25: v1(128.94,8.72) 128.74,8.53 111.23,8.53 108.29,11.47 108.29,12.76 104.98,16.07 v1(104.09,16.07) ; v1(115.25,65.61) 108.23,65.61 106.68,67.16 103.95,67.16 98.61,72.49 86.48,72.49 81.23,77.74 v1(65.98,77.74) ; v1(49.75,98.59) JP13.1 48.66,98.59
  Top w0.4: JP13.1 v1(49.75,98.59) ; v1(65.55,88.68) 63.43,88.68 61.3,90.8 30.4 v1(59.05,91.68) ; 29.2 136.65,10.39 134.67,8.4 v1(131.74,8.4)
  Bottom w0.25: 52.4,95.38 57.33,90.44 59.61,90.44 ; JP14.1 49.74,98.6 ; v1(115.25,65.61) 111.56,65.61 105.93,59.97 105.93,42.66 104.5,41.24 104.5,23.17 104.09,22.76 v1(104.09,16.07) ; 59.61,90.44 59.05,91.01 v1(59.05,91.68) ; 59.61,90.44 66.01,90.44 66.8,91.23 30.4 ; 131.15,9.66 129.03,9.66 128.94,9.56 ; v1(65.55,88.68) 65.98,88.24 v1(65.98,77.74)
  Bottom w0.4: v1(59.05,91.68) 59.05,90.97 58.68,90.6 ; 52.4,95.38 50.57,97.21 49.75,98.02 v1(49.75,98.59) 49.74,98.6 JP14.1 ; v1(131.74,8.4) 131.74,9.07 131.15,9.66 29.2 130.31,10.94 128.94,9.56 v1(128.94,8.72)
Net-(LED1-Pad2): length 106.1
  Top w0.25: 24.45,35.39 27.74,38.68 28.22,38.68 ; 43.45,50.88 42.09,49.53 39.84,49.53 ; v1(34.43,95.24) 2.4
  Top w0.4: 24.45,35.39 24.49,35.35 24.49,34.48 23.2,33.19 1.2 22.35,32.48 21.58,31.71 v1(17.95,31.71) ; 43.45,50.88 v1(43.45,51.94) 43.45,51 41.98,49.53 39.84,49.53 38.69,48.37 38.69,45.95 35.76,43.02 35.76,41.57 34.76,40.57 33.87,40.57 31.98,38.68 28.22,38.68
  Bottom w0.25: 43.38,94.44 43.38,91.44 46.74,88.08 46.74,56.13 43.45,52.83 v1(43.45,51.94) ; 42.01,95.24 41.36,95.89 ; 42.01,95.24 2.4 ; 42.01,95.24 42.58,95.24
  Bottom w0.4: 43.38,94.44 42.58,95.24 2.4 41.36,95.28 41.36,95.89 40.62,96.63 37.37,96.63 36.56,97.45 35.52,97.45 34.43,96.36 v1(34.43,95.24) ; 1.2 16.85,32.31 17.45,31.71 v1(17.95,31.71)